# Altium PCB BLDC-2020_LOCAL_2544.PcbDoc (part 1 of 2)
Units mil, origin at the board's own origin, x right, y up, seen from the top; angles counter-clockwise.
Board outline 3000 x 7500 mil, 4 copper layers (Top Layer, GND, Power, Bottom Layer), stack 26.468 mil thick; 202 components, 138 nets, 710 pads, 522 vias.
Unrouted connection lines stored in the file: 313.
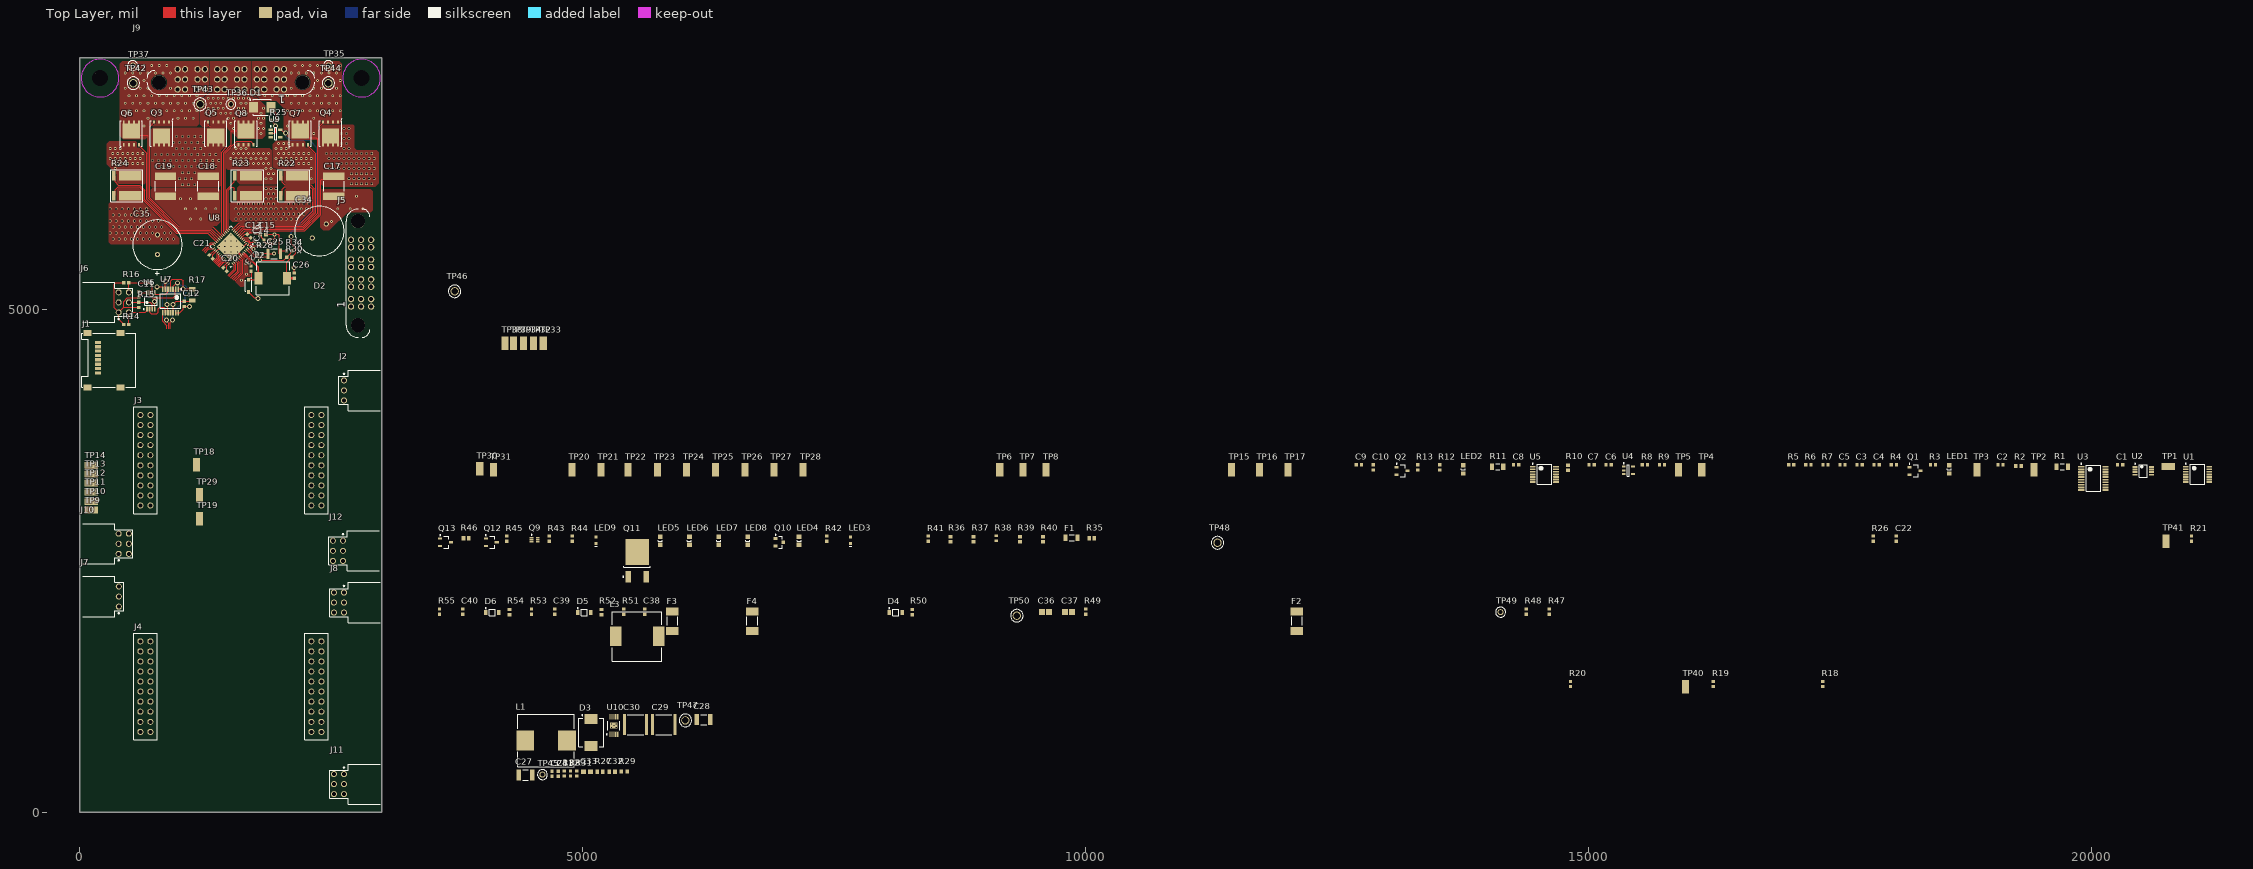
[diagram p0: Top Layer view]
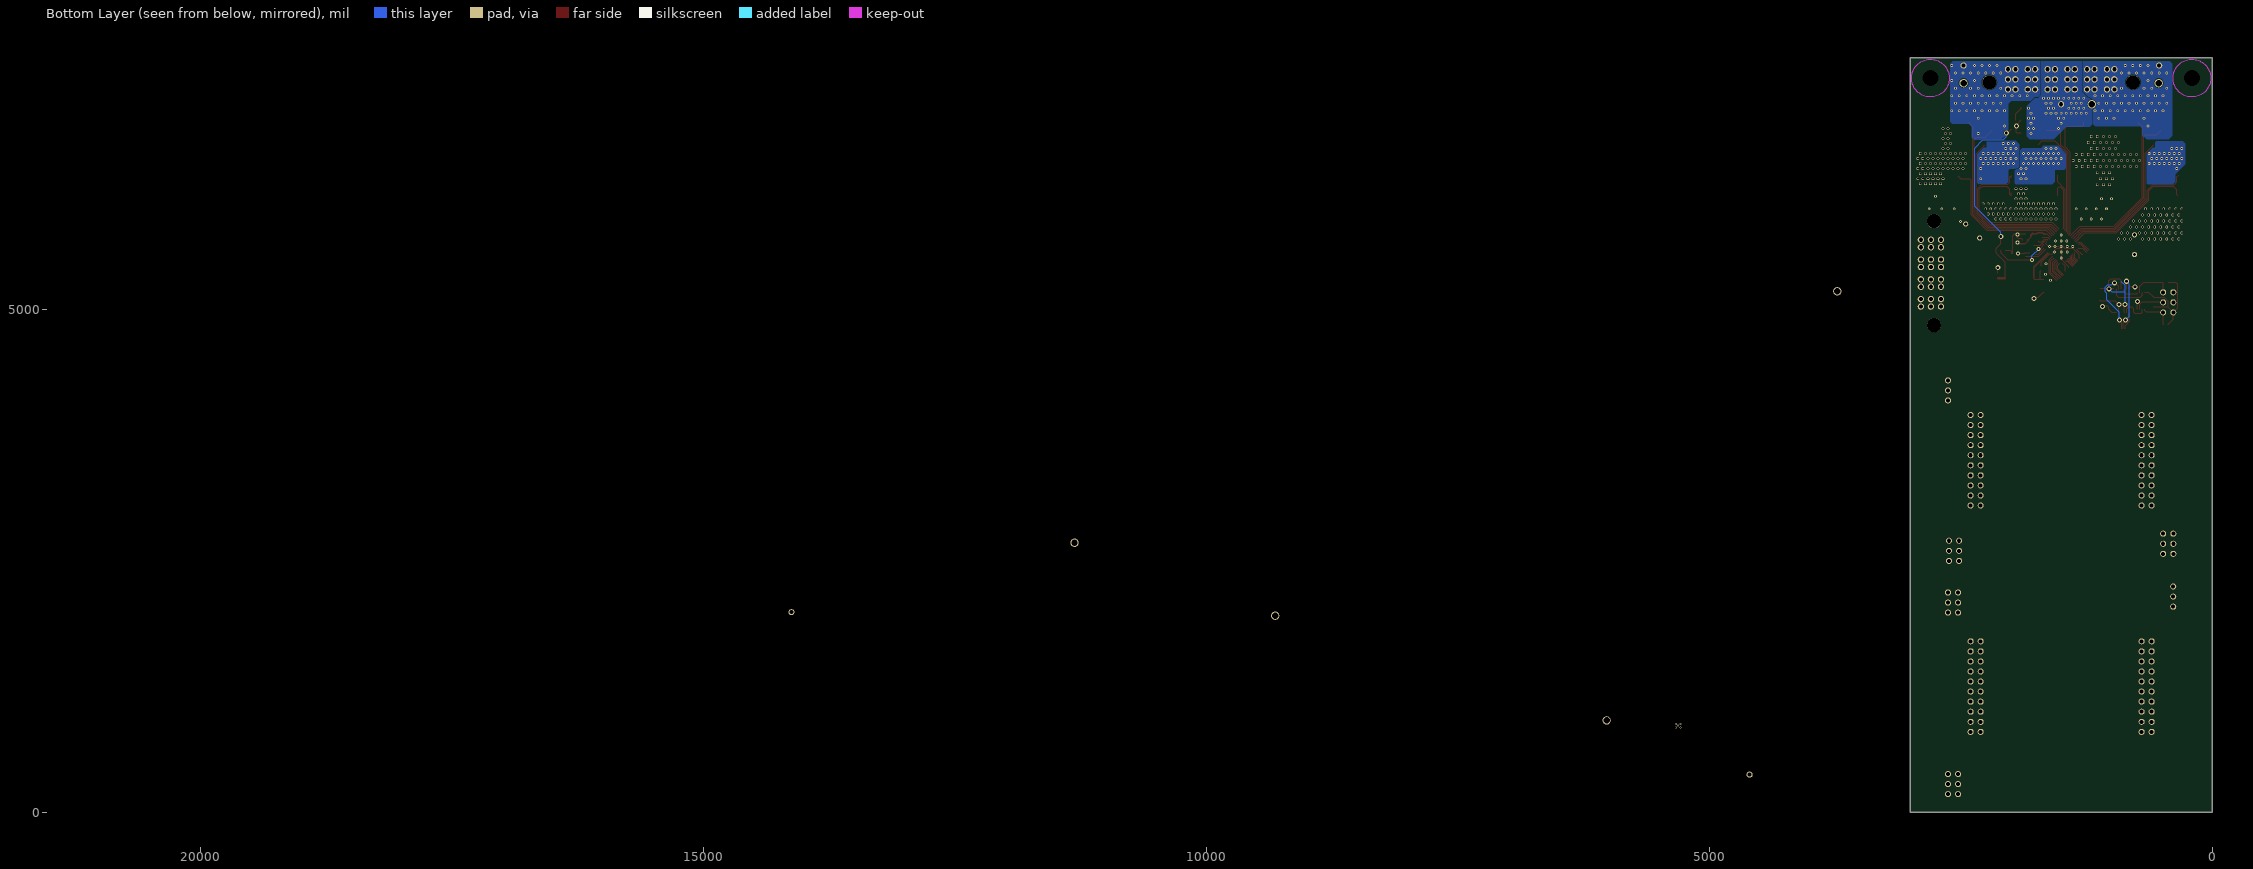
[diagram p1: Bottom Layer view, seen from below]
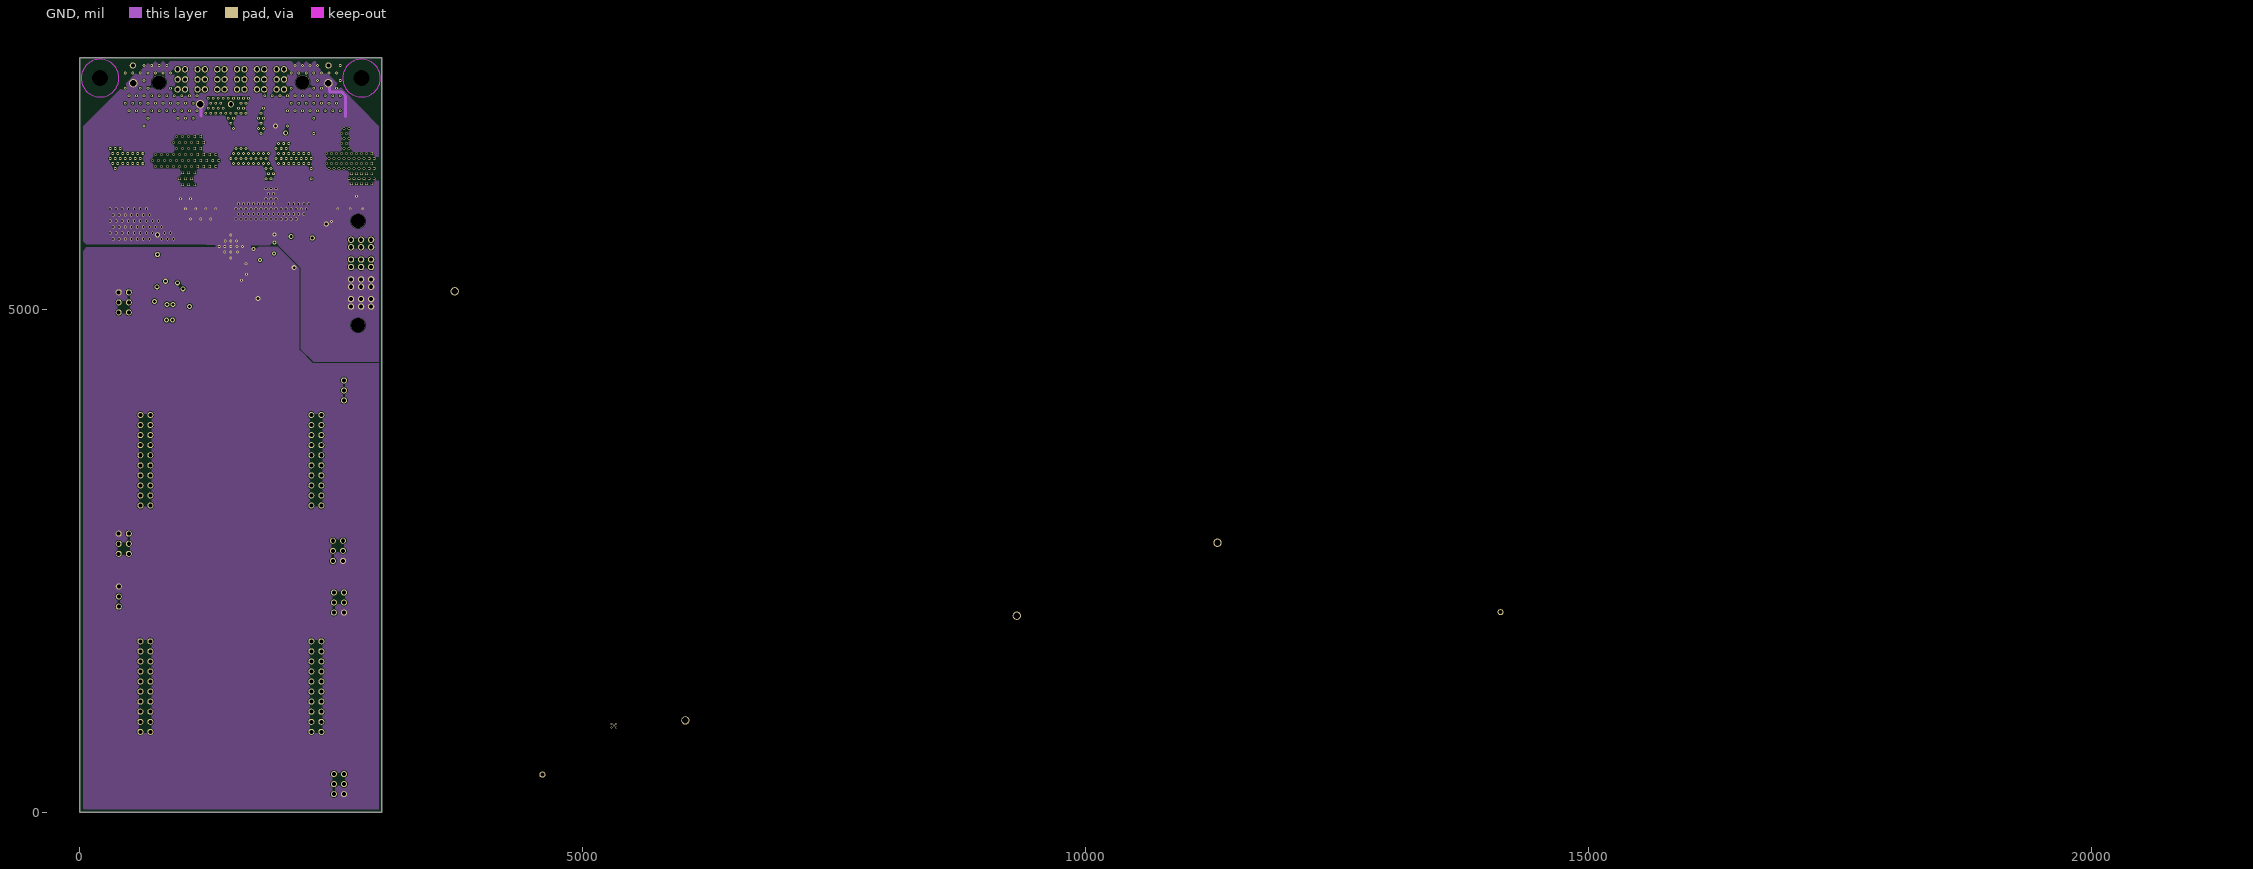
[diagram p2: GND]
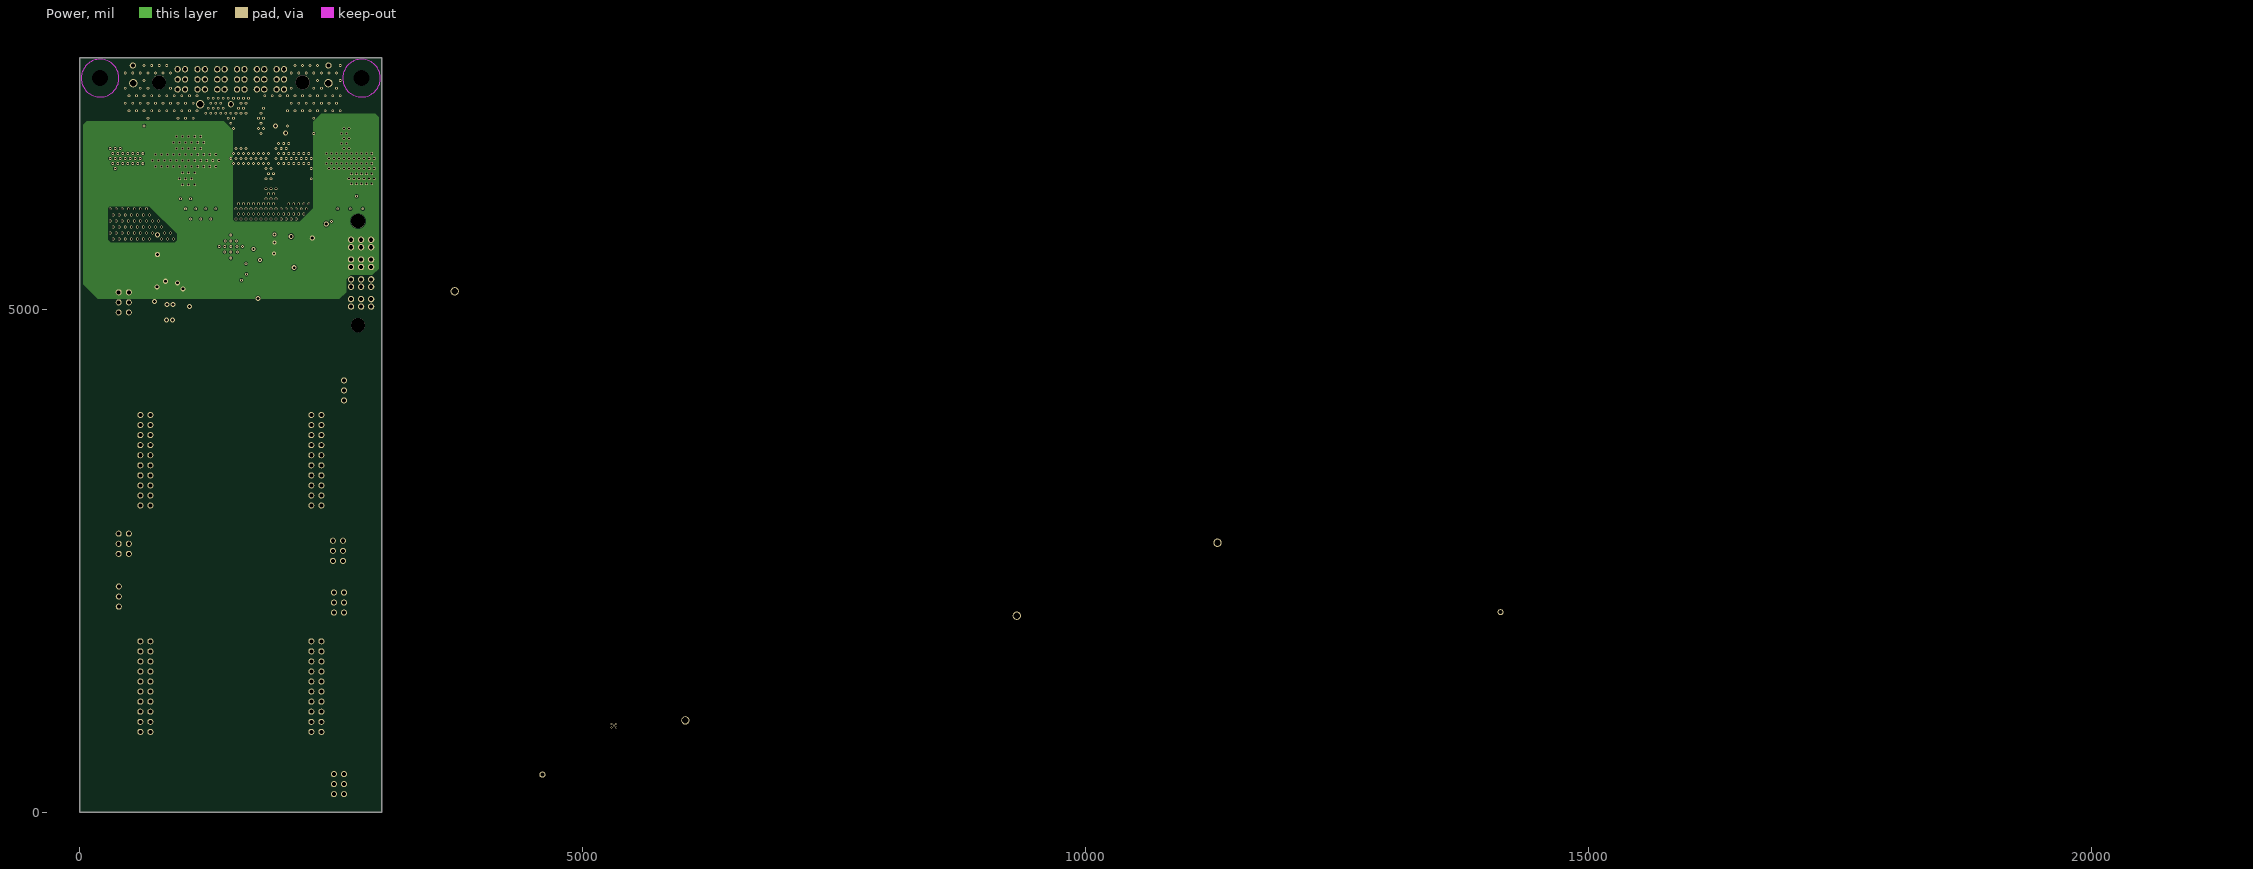
[diagram p3: Power]

## Layer stack, top to bottom
Top Solder: solder mask 0.4, Solder Resist, Dk 3.5
Top Layer: signal copper 2.7559
Dielectric 2: prepreg 2.8, PP-006, Dk 4.1
GND: signal copper 1.3779
Dielectric 1: dielectric 12.6, FR-4, Dk 4.8
Power: signal copper 1.3779
Dielectric 3: prepreg 2.8, PP-006, Dk 4.1
Bottom Layer: signal copper 2.7559
Bottom Solder: solder mask 0.4, Solder Resist, Dk 3.5

## Board outline
0,0 3000,0 3000,7500 0,7500

## Design rules (kind name [scope] priority, off if disabled: settings)
BoardOutlineClearance [All] p1: gap=30 ignorepadtopadclearanceinfootprint=FALSE
Clearance Stitching [IsStitchingVia vs (IsVia and (Not IsStitchingVia)) Or IsPad] p1: gap=10 ignorepadtopadclearanceinfootprint=FALSE
Clearance [All] p2: gap=6 ignorepadtopadclearanceinfootprint=FALSE except(10: Fill-Fill Fill-Poly Fill-Region Poly-Poly Poly-Region Region-Region)
DiffPairsRouting [All] p1: maxlimit=15 minlimit=6 mostfreqgap=10 toplayer_minwidth=6 toplayer_maxwidth=30 toplayer_prefwidth=15 midlayer1_minwidth=6 midlayer1_maxwidth=30 midlayer1_prefwidth=15 midlayer2_minwidth=6 midlayer2_maxwidth=30 midlayer2_prefwidth=15 bottomlayer_minwidth=6 bottomlayer_maxwidth=30 bottomlayer_prefwidth=15 maxuncoupledlength=250
HoleSize [All] p1: absolutevalues=TRUE maxlimit=100 minlimit=11 maxpercent=80.000 minpercent=20.000
PolygonConnect "Main Power Connection" [InNet('VBATT')] p1: connectstyle=Direct reliefconductorwidth=10 reliefentries=4 polygonreliefangle="90 Angle" airgapwidth=10
PolygonConnect "Phase Connections" [(InNetClass('PhaseNet') OR InComponentClass('FETBridge'))] p2: connectstyle=Direct reliefconductorwidth=10 reliefentries=4 polygonreliefangle="90 Angle" airgapwidth=10
PolygonConnect "VBatt Power" [InNet('AGND')] p3: connectstyle=Direct reliefconductorwidth=10 reliefentries=4 polygonreliefangle="90 Angle" airgapwidth=10
PolygonConnect [All] p4: connectstyle=Relief reliefconductorwidth=10 reliefentries=4 polygonreliefangle="90 Angle" airgapwidth=10
RoomDefinition "5V Regulator" [InComponentClass('5V Regulator')] p1: confinementstyle=ConfineIn formatcopy=TRUE lockcomponents=FALSE outline 4325,0 6325,0 6325,1000 4325,1000
RoomDefinition "3.3V Regulator" [InComponentClass('3.3V Regulator')] p2: confinementstyle=ConfineIn formatcopy=TRUE lockcomponents=FALSE outline 495.48,5000 3000,5000 3000,6002.16 495.48,6002.16
RoomDefinition FETBridge [InComponentClass('FETBridge')] p3: confinementstyle=ConfineIn formatcopy=TRUE lockcomponents=FALSE outline 0,6000 3000,6000 3000,7500 0,7500
RoutingTopology [All] p1: topology=Daisy_Balanced
RoutingVias [All] p1: holewidth=28 width=50 viastyle="Through Hole" minholewidth=11 minwidth=23 maxholewidth=50 maxwidth=100
SolderMaskExpansion [All] p1: expansion=4
ViasUnderSMD [InComponent('U8')] p1: allowed=TRUE
Width [All] p1: maxlimit=1000 minlimit=6 preferedwidth=10
27 further rules are at their usual default settings.

## Classes and differential pairs
net class PhaseNet: NetQ6_S NetQ7_S NetQ8_S PHASE_A PHASE_B PHASE_C
component class "5V Regulator": C24 C27 C28 C29 C30 C31 C32 C33 D3 L1 R27 R29 R31 R32 R33 TP45 TP47 U10
component class "3.3V Regulator": C23 C26 D2 L2 R28 R30 R34 TP46
component class FETBridge: C17 C18 C19 C34 C35 D1 J5 Q3 Q4 Q5 Q6 Q7 Q8 R22 R23 R24 R25 TP32 TP33 TP34 TP35 TP36 TP37 TP38 TP39 TP42 TP43 TP44
differential pair class SC: SC
differential pair class SB: SB
differential pair class SA: SA
component class "MCU and Digital Interfaces": C1 C2 C3 C4 C5 C6 C7 C8 C9 C10 C11 C12 J1 LED1 LED2 Q1 Q2 R1 R2 R3 R4 R5 R6 R7 R8 R9 R10 R11 R12 R13 R14 R15 R16 R17 TP1 TP2 TP3 TP4 TP5 TP6 TP7 TP8 TP9 TP10 TP11 TP12 TP13 TP14 TP15 TP16 TP17 TP18 TP19 TP20 TP21 TP22 TP23 TP24 TP25 TP26 TP27 TP28 TP29 TP30 TP31 U1 U2 U3 U4 U5 U6 U7
component class "Gate Driver and Power Section": C13 C14 C15 C16 C17 C18 C19 C20 C21 C22 C23 C24 C25 C26 C27 C28 C29 C30 C31 C32 C33 D1 D2 D3 F1 J2 L1 L2 LED3 LED4 LED5 LED6 LED7 LED8 LED9 Q3 Q4 Q5 Q6 Q7 Q8 Q9 Q10 Q11 Q12 Q13 R18 R19 R20 R21 R22 R23 R24 R25 R26 R27 R28 R29 R30 R31 R32 R33 R34 R35 R36 R37 R38 R39 R40 R41 R42 R43 R44 R45 R46 TP32 TP33 TP34 TP35 TP36 TP37 TP38 TP39 TP40 TP41 TP42 TP43 TP44 TP45 TP46 TP47 TP48 U8 U9 U10
component class "Connectors and Inputs": C34 C35 C36 C37 C38 C39 C40 D4 D5 D6 F2 F3 F4 J3 J4 J5 J6 J7 J8 J9 J10 J11 J12 L3 R47 R48 R49 R50 R51 R52 R53 R54 R55 TP49 TP50
differential pair SC: +SC_P -SC_N
differential pair SB: +SB_P -SB_N
differential pair SA: +SA_P -SA_N

## Components (designator, comment, footprint, x,y, rotation, side; value= is the part's Value field where it differs from the comment)
C1 "0.1uF" CAPC1608X05L 20285,3455 r0 top
C2 "0.1uF" CAPC1608X05L 19095,3455 r0 top
C3 "0.1uF" CAPC1608X05L 17695,3455 r0 top
C4 "0.1uF" CAPC1608X05L 17865,3455 r0 top
C5 "0.1uF" CAPC1608X05L 17525,3455 r0 top
C6 "0.1uF" CAPC1608X05L 15200,3455 r0 top
C7 "3.9nF" CAPC1608X05L 15030,3455 r0 top
C8 "39nF" CAPC1608X05L 14280,3455 r0 top
C9 "0.1uF" CAPC1608X05L 12715,3455 r0 top
C10 "0.1uF" CAPC1608X05L 12860,3430 r90 top
C11 "0.1uF" CAPC1608X05L 585,5150 r270 top
C12 "0.1uF" CAPC1608X05L 1035,5055 r270 top
C13 "1uF" CAPC1608X05L 1680,5730 r315 top
C14 "47nF" CAPC0603(1608)100_N 1765,5660 r135 top
C15 "10uF" CAPC1608X90X35NL15T15 1820,5745 r180 top
C16 "0.1uF" CAPC1608X05L 1855.59,5690 r180 top
C17 "10uF" CAPC5750X279X64NL40T39 2525,6225 r90 top
C18 "10uF" CAPC5750X279X64NL40T39 1275,6225 r90 top
C19 "10uF" CAPC5750X279X64NL40T39 850,6225 r90 top
C20 "1uF" CAPC1608X05L 1441.91,5398.09 r315 top
C21 "0.1uF" CAPC1608X05L 1301.91,5523.09 r135 top
C22 "0.1uF" CAPC1608X05L 18060,2720 r90 top
C23 "0.1uF" CAPC1608X05L 1700,5405.59 r90 top
C24 "0.1uF" CAPC1608X05L 4692.71,383.17 r90 top
C25 "2.2uF" CAPC3225X250X20LL40 1930,5555 r180 top
C26 "10uF" CAPC1608X05L 2130,5335.59 r270 top
C27 "100uF" MURA-1210_H_2.7_M 4429.55,369.39 r0 top
C28 "100uF" MURA-1210_H_2.7_M 6200.32,920.88 r0 top
C29 "10uF" TDK-C5750-2_L 5803.11,871.67 r0 top
C30 "10uF" TDK-C5750-2_L 5523.14,871.67 r0 top
C31 "0.1uF" CAPC1608X05L 4754.17,383.17 r90 top
C32 "4700pf" CAPC1608X90X35ML10T15 5291.27,403.83 r0 top
C33 "270pf" CAPC1608X90X35ML15T15 5041.37,402.85 r0 top
C34 "390uF" EGPD800ELL391MK25H 2310,5710 r45 top
C35 "390uF" EGPD800ELL391MK25H 770,5545 r90 top
C36 "22uF" CAPC2013X145X50ML20T25 9600,1990 r0 top
C37 "22uF" CAPC2013X145X50ML20T25 9830,1990 r0 top
C38 "47nF" CAPC1608X05L 5615,1995 r90 top
C39 "47nF" CAPC1608X05L 4720,1995 r90 top
C40 "47nF" CAPC1608X05L 3805,1995 r90 top
D1 "1SMB5936BT3G" ONSC-SMB-2-403A-03_H_V 1812.01,7010 r0 top
D2 "PMEG6010CEH,115" SODFL350X120-2N 1675,5235 r270 top
D3 "B3100-13-F" DIOD-SMC-2_V 5081.5,792.93 r90 top
D4 "MMSZ5226BT1G" ONSC-SOD-123-2-425-04_V 8110,1985 r0 top
D5 "MMSZ5226BT1G" ONSC-SOD-123-2-425-04_V 5015,1985 r0 top
D6 "MMSZ5226BT1G" ONSC-SOD-123-2-425-04_V 4100,1985 r0 top
F1 "1.5A" TECO-NANOSMDC150F-2_V 9860,2730 r0 top
F2 "0451.500MRL" LFUS-45X_V 12100,1900 r90 top
F3 "0451.500MRL" LFUS-45X_V 5890,1900 r90 top
F4 "0451.500MRL" LFUS-45X_V 6685,1900 r90 top
J1 "693072010801" 693072010801 285,4495 r270 top
J2 "IPL1-103-01-L-S-RA-K" IPL1-103-01-XXX-S-RA 3005,4195 r270 top
J3 "LuanchPad 40 Pin" "TI LuanchPad" 1500,3500 r180 top locked
J4 "LuanchPad 40 Pin" "TI LuanchPad" 1500,1250 r180 top
J5 "MPT-04-01-01-L-RA-SD" *MPT-04-01-XX-X-RA-SD 3007.2,5360.43 r90 top
J6 "IPL1-103-01-XXX-D-RA" IPL1-103-01-XXX-D-RA 5,5070 r90 top
J7 "IPL1-103-01-L-S-RA-K" IPL1-103-01-XXX-S-RA 5.5,2145 r90 top
J8 "IPL1-103-01-XXX-D-RA" IPL1-103-01-XXX-D-RA 3005,2085 r270 top
J9 "MPT-06-01-01-L-RA-SD" *MPT-06-01-XX-X-RA-SD 1500,7500 r180 top locked
J10 "IPL1-103-01-XXX-D-RA" IPL1-103-01-XXX-D-RA 5,2670 r90 top
J11 "IPL1-103-01-XXX-D-RA" IPL1-103-01-XXX-D-RA 3005,280.05 r270 top
J12 "IPL1-103-01-XXX-D-RA" IPL1-103-01-XXX-D-RA 2995,2600 r270 top
L1 "22uH" WE-HCI-1365 4634.28,714.25 r0 top
L2 "33uH" INDP8080X46L 1915,5310 r0 top
L3 "120uH" INDP125125X60N 5540,1750 r0 top
LED1 "150080GS75000" 0805_A 18585,3410 r90 top
LED2 "150080GS75000" 0805_A 13755,3410 r90 top
LED3 "150060VS75000" 0603_A 7660,2705 r90 top
LED4 "150080GS75000" 0805_A 7150,2700 r90 top
LED5 "150080GS75000" 0805_A 5770,2700 r90 top
LED6 "150080GS75000" 0805_A 6060,2700 r90 top
LED7 "150080GS75000" 0805_A 6350,2700 r90 top
LED8 "150080GS75000" 0805_A 6640,2700 r90 top
LED9 "150060VS75000" 0603_A 5130,2705 r90 top
Q1 "DMN1019USN-7" SOT95P285X140-3N 18245,3395 r0 top
Q2 "DMN1019USN-7" SOT95P285X140-3N 13145,3395 r0 top
Q3 "BSC027N06LS5ATMA1" PG-TDSON-8-7 810,6750 r270 top
Q4 "BSC027N06LS5ATMA1" PG-TDSON-8-7 2490,6750 r270 top
Q5 "BSC027N06LS5ATMA1" PG-TDSON-8-7 1350,6750 r270 top
Q6 "BSC027N06LS5ATMA1" PG-TDSON-8-7 510,6750 r90 top
Q7 "BSC027N06LS5ATMA1" PG-TDSON-8-7 2190,6750 r90 top
Q8 "BSC027N06LS5ATMA1" PG-TDSON-8-7 1650,6750 r90 top
Q9 "NX3008CBKV,115" NXP-SOT666_M 4520,2710 r0 top
Q10 "NTR4101PT1G" ONSC-SOT-23-3-318-08_V 6955,2685 r0 top
Q11 "FQD9N25TM_F080" DPAK229P991X239-3N 5540,2460 r90 top
Q12 "DMN1019USN-7" SOT95P285X140-3N 4090,2685 r0 top
Q13 "DMN1019USN-7" SOT95P285X140-3N 3635,2685 r0 top
R1 "0" RESC3116X65X40NL10T20 19710,3435 r0 top
R2 "91" RESC1608X50X30NL20T20 19275,3445 r0 top
R3 "100" CAPC1608X05L 18425,3455 r0 top
R4 "10k" CAPC1608X05L 18035,3455 r0 top
R5 "10k" CAPC1608X05L 17015,3455 r0 top
R6 "100k" CAPC1608X05L 17185,3455 r0 top
R7 "100k" CAPC1608X05L 17355,3455 r0 top
R8 "19.1K" CAPC1608X05L 15560,3455 r0 top
R9 "536k" CAPC1608X05L 15730,3455 r0 top
R10 "91" RESC1608X50X30NL20T20 14795,3425 r90 top
R11 "0" RESC3116X65X40NL10T20 14095,3435 r0 top
R12 "10k" CAPC1608X05L 13520,3430 r90 top
R13 "100" CAPC1608X05L 13300,3430 r90 top
R14 "10k" CAPC1608X05L 460,4850 r180 top
R15 "10k" CAPC1608X05L 585,5045 r270 top
R16 "10k" CAPC1608X05L 460,5265 r180 top
R17 "0" RESC3116X65X40NL10T20 1115,5145 r90 top
R18 "10k" CAPC1608X05L 17330,1275 r90 top
R19 "10k" CAPC1608X05L 16240,1275 r90 top
R20 "10k" CAPC1608X05L 14820,1275 r90 top
R21 "10k" CAPC1608X05L 20995,2720 r90 top
R22 "2m" WSL27262L000FEB 2160,6230 r180 top
R23 "2m" WSL27262L000FEB 1700,6230 r180 top
R24 "2m" WSL27262L000FEB 500,6230 r180 top
R25 "470" CAPC1608X05L 1925,6880 r180 top
R26 "10k" CAPC1608X05L 17830,2720 r90 top
R27 "53.6k" RESC1609X50X30ML10T20 5171.73,403.83 r0 top
R28 "100k" CAPC1608X05L 1790,5555 r180 top
R29 "10K" RESC1608X55X25ML10T15 5411.79,404.82 r0 top
R30 "28k" CAPC1608X05L 2080.59,5520 r0 top
R31 "412k" RESC1608X55X30LL15T15 4938.57,386.12 r90 top
R32 "10k" RESC1609X55X30LL15T15 4815.64,384.15 r90 top
R33 "12.7k" RESC1608X55X30LL15T15 4877.1,386.12 r90 top
R34 "8.45k" CAPC1608X05L 2080,5585 r0 top
R35 "41" RESC1609X50X30ML10T20 10060,2725 r0 top
R36 "91" RESC1608X50X30NL20T20 8655,2715 r90 top
R37 "91" RESC1608X50X30NL20T20 8885,2715 r90 top
R38 "430" RESC1608X55X30LL20T10 9110,2725 r90 top
R39 "91" RESC1608X50X30NL20T20 9345,2715 r90 top
R40 "91" RESC1608X50X30NL20T20 9575,2715 r90 top
R41 "100" CAPC1608X05L 8435,2720 r90 top
R42 "10k" CAPC1608X05L 7425,2720 r90 top
R43 "100" CAPC1608X05L 4665,2720 r90 top
R44 "100" CAPC1608X05L 4895,2720 r90 top
R45 "100" CAPC1608X05L 4245,2720 r90 top
R46 "41" RESC1609X50X30ML10T20 3840,2725 r0 top